# Altium PCB CarrierMotherboard.PcbDoc (part 1 of 6) (continued)
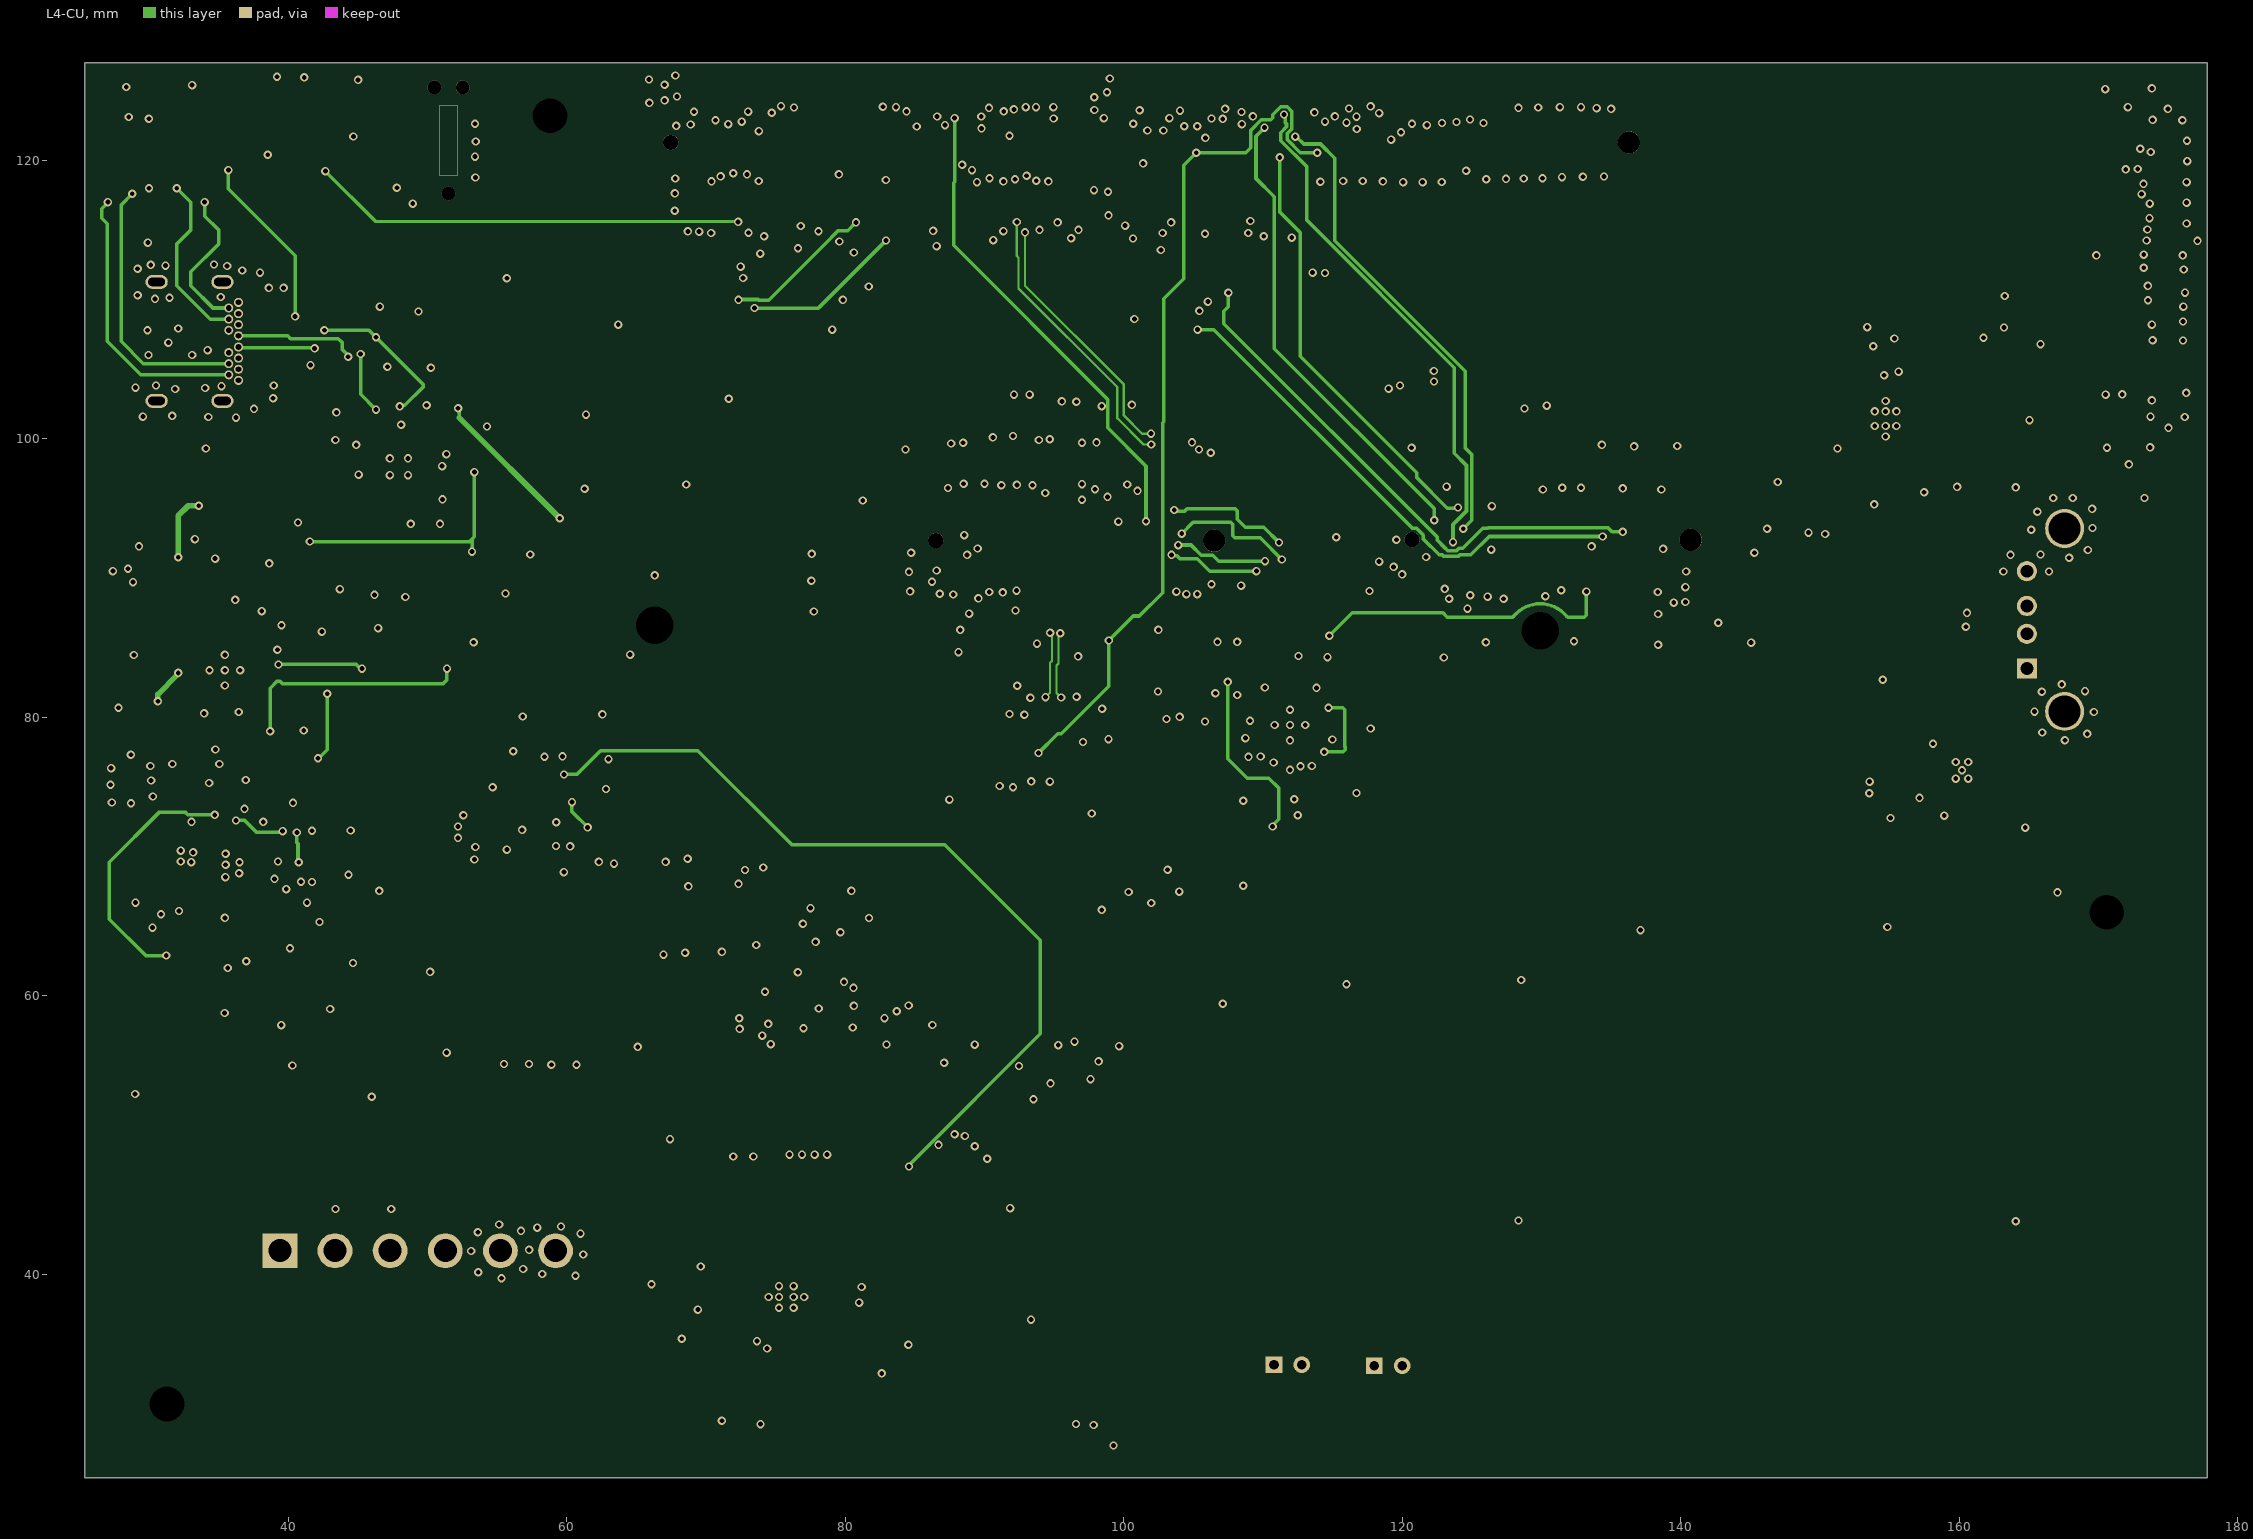
[diagram p4: L4-CU]
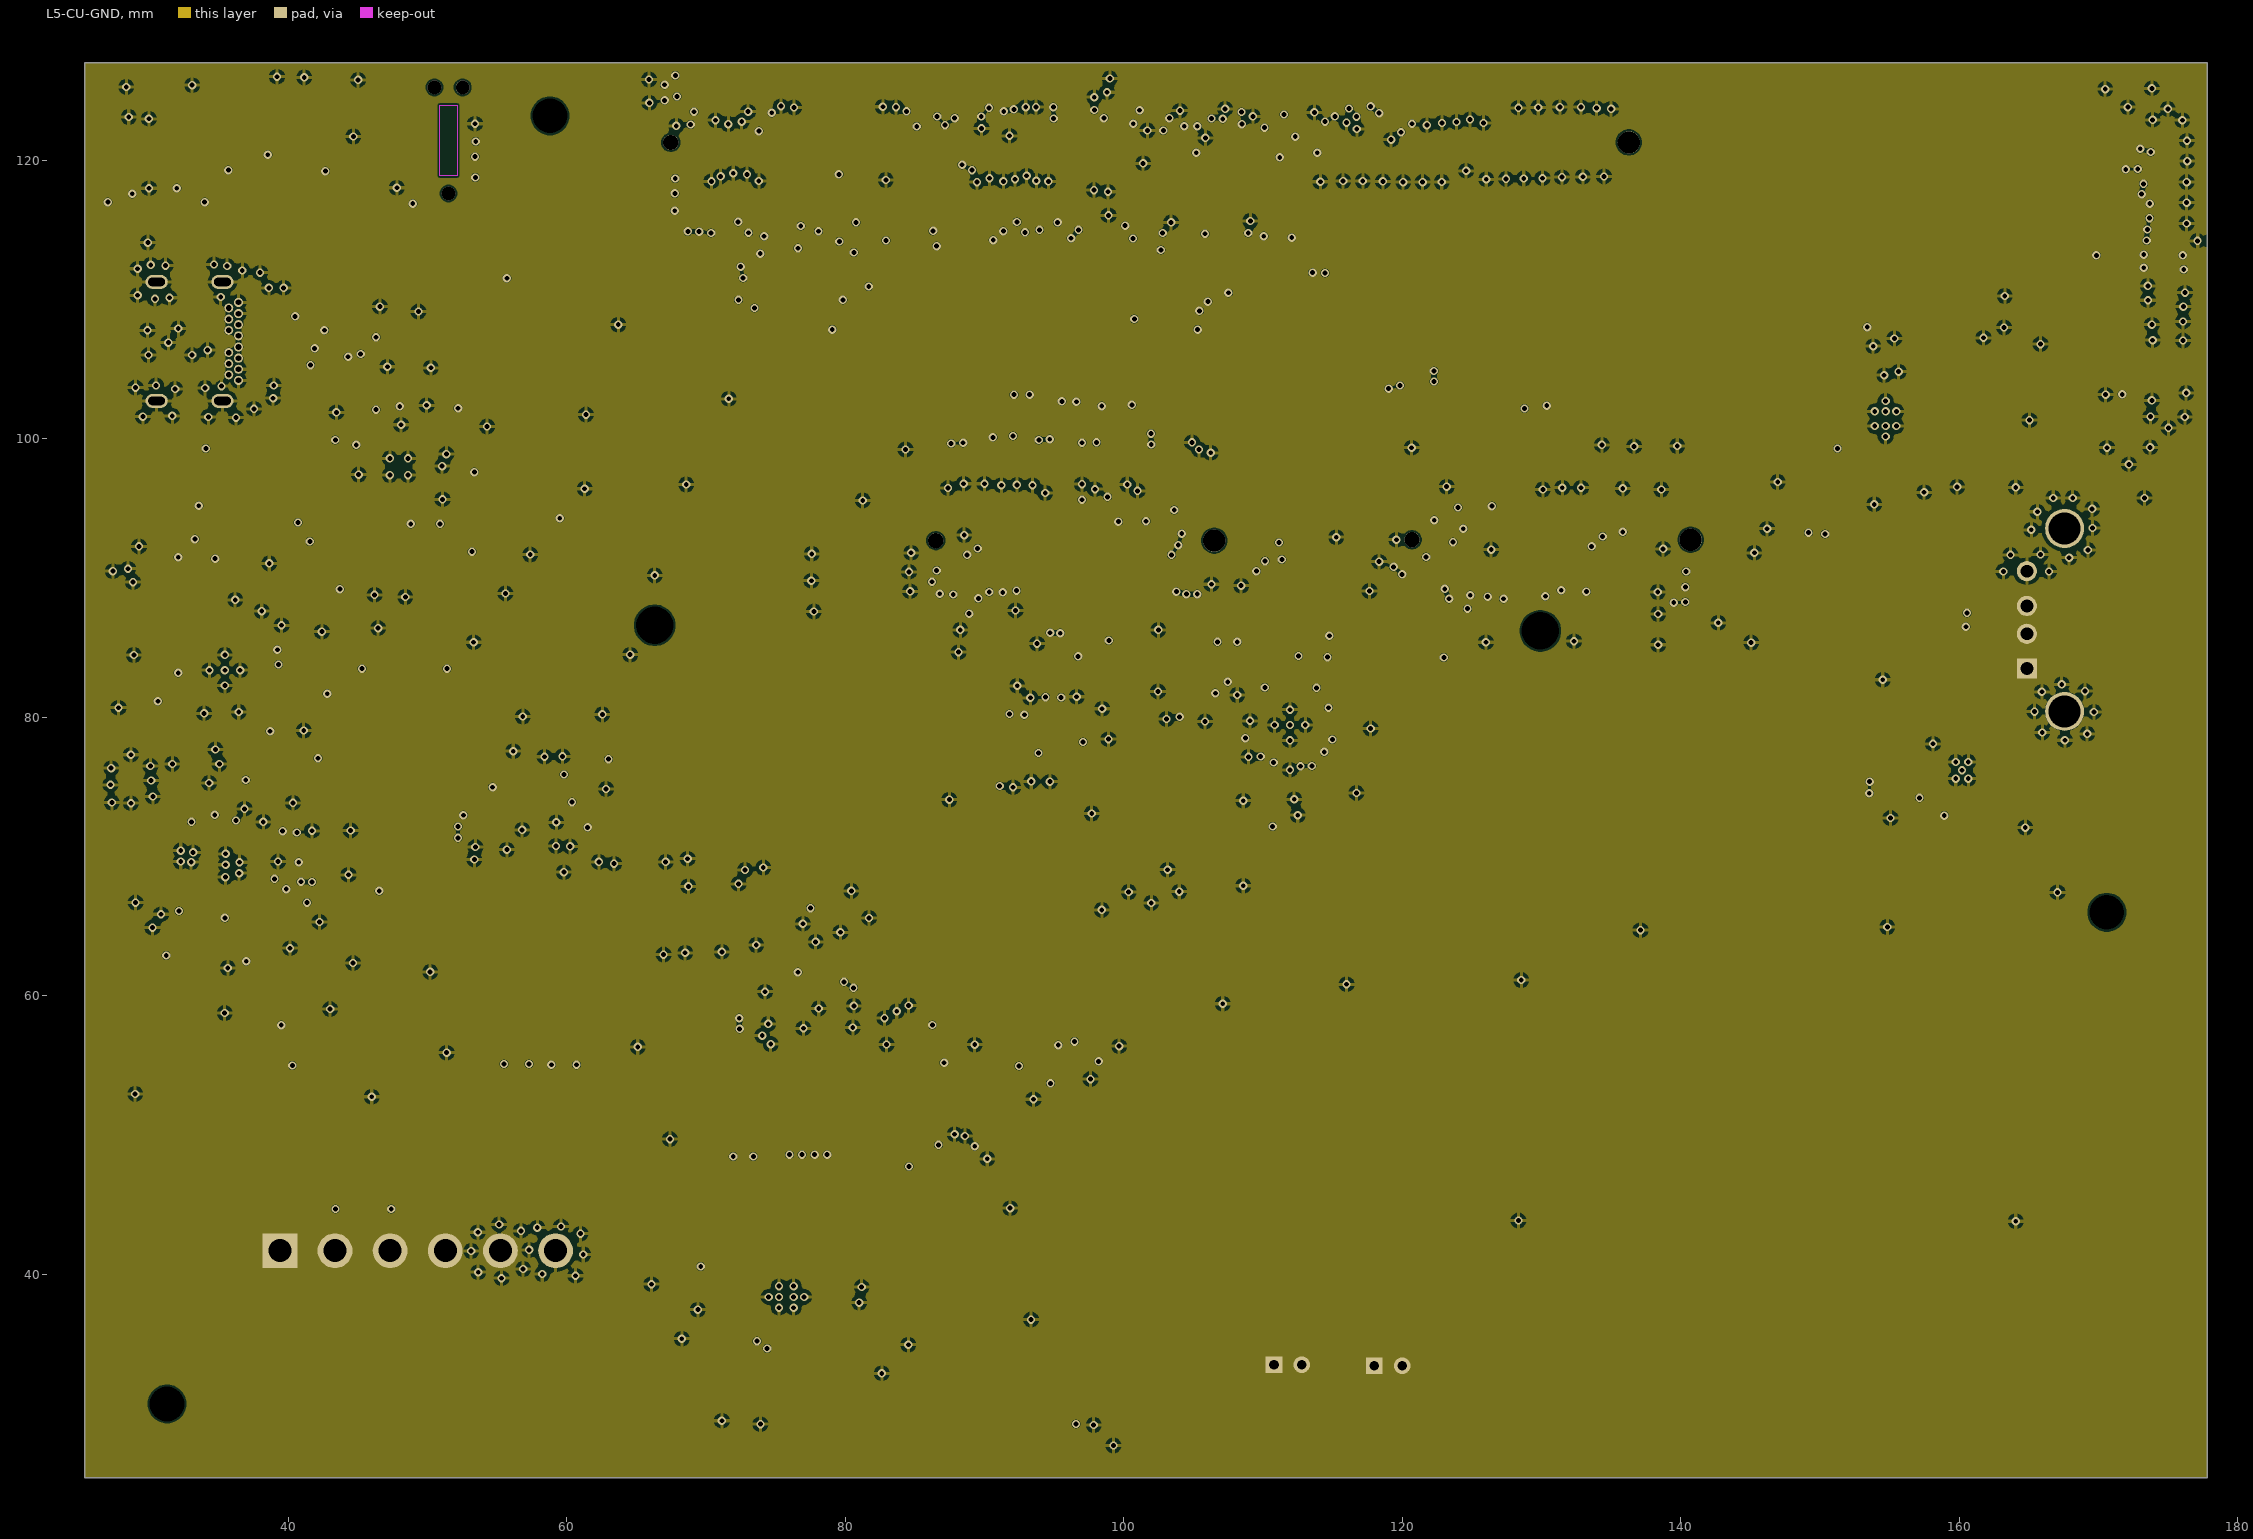
[diagram p5: L5-CU-GND]
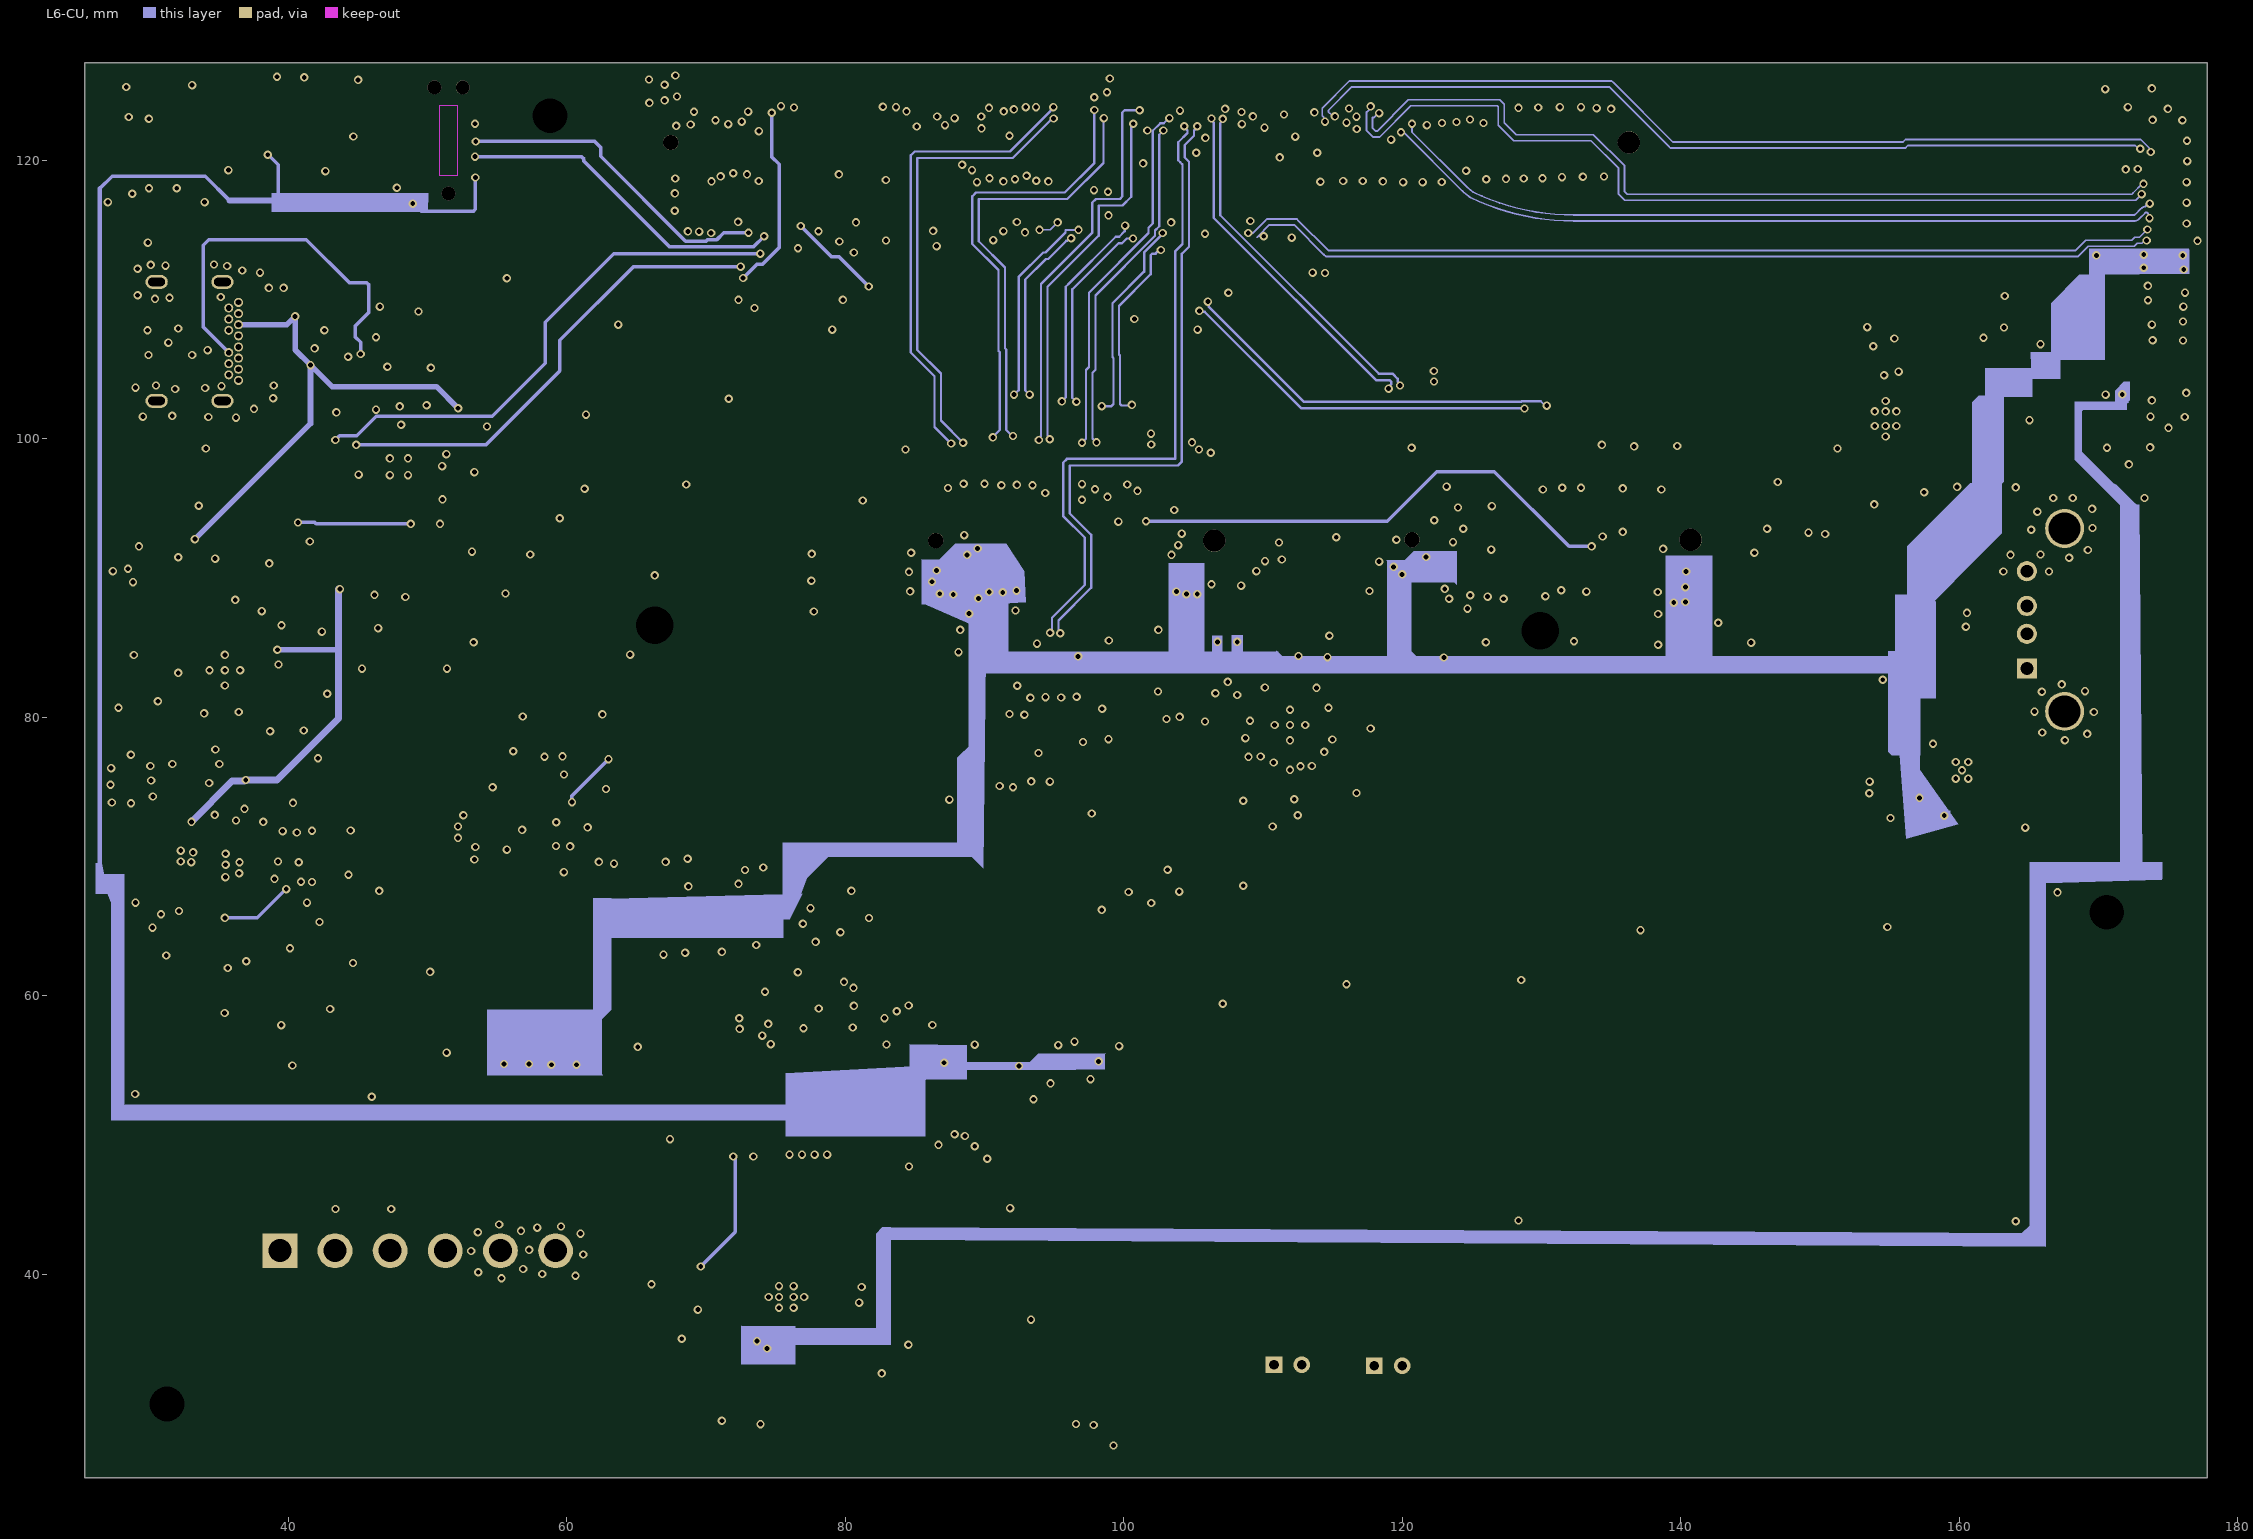
[diagram p6: L6-CU]
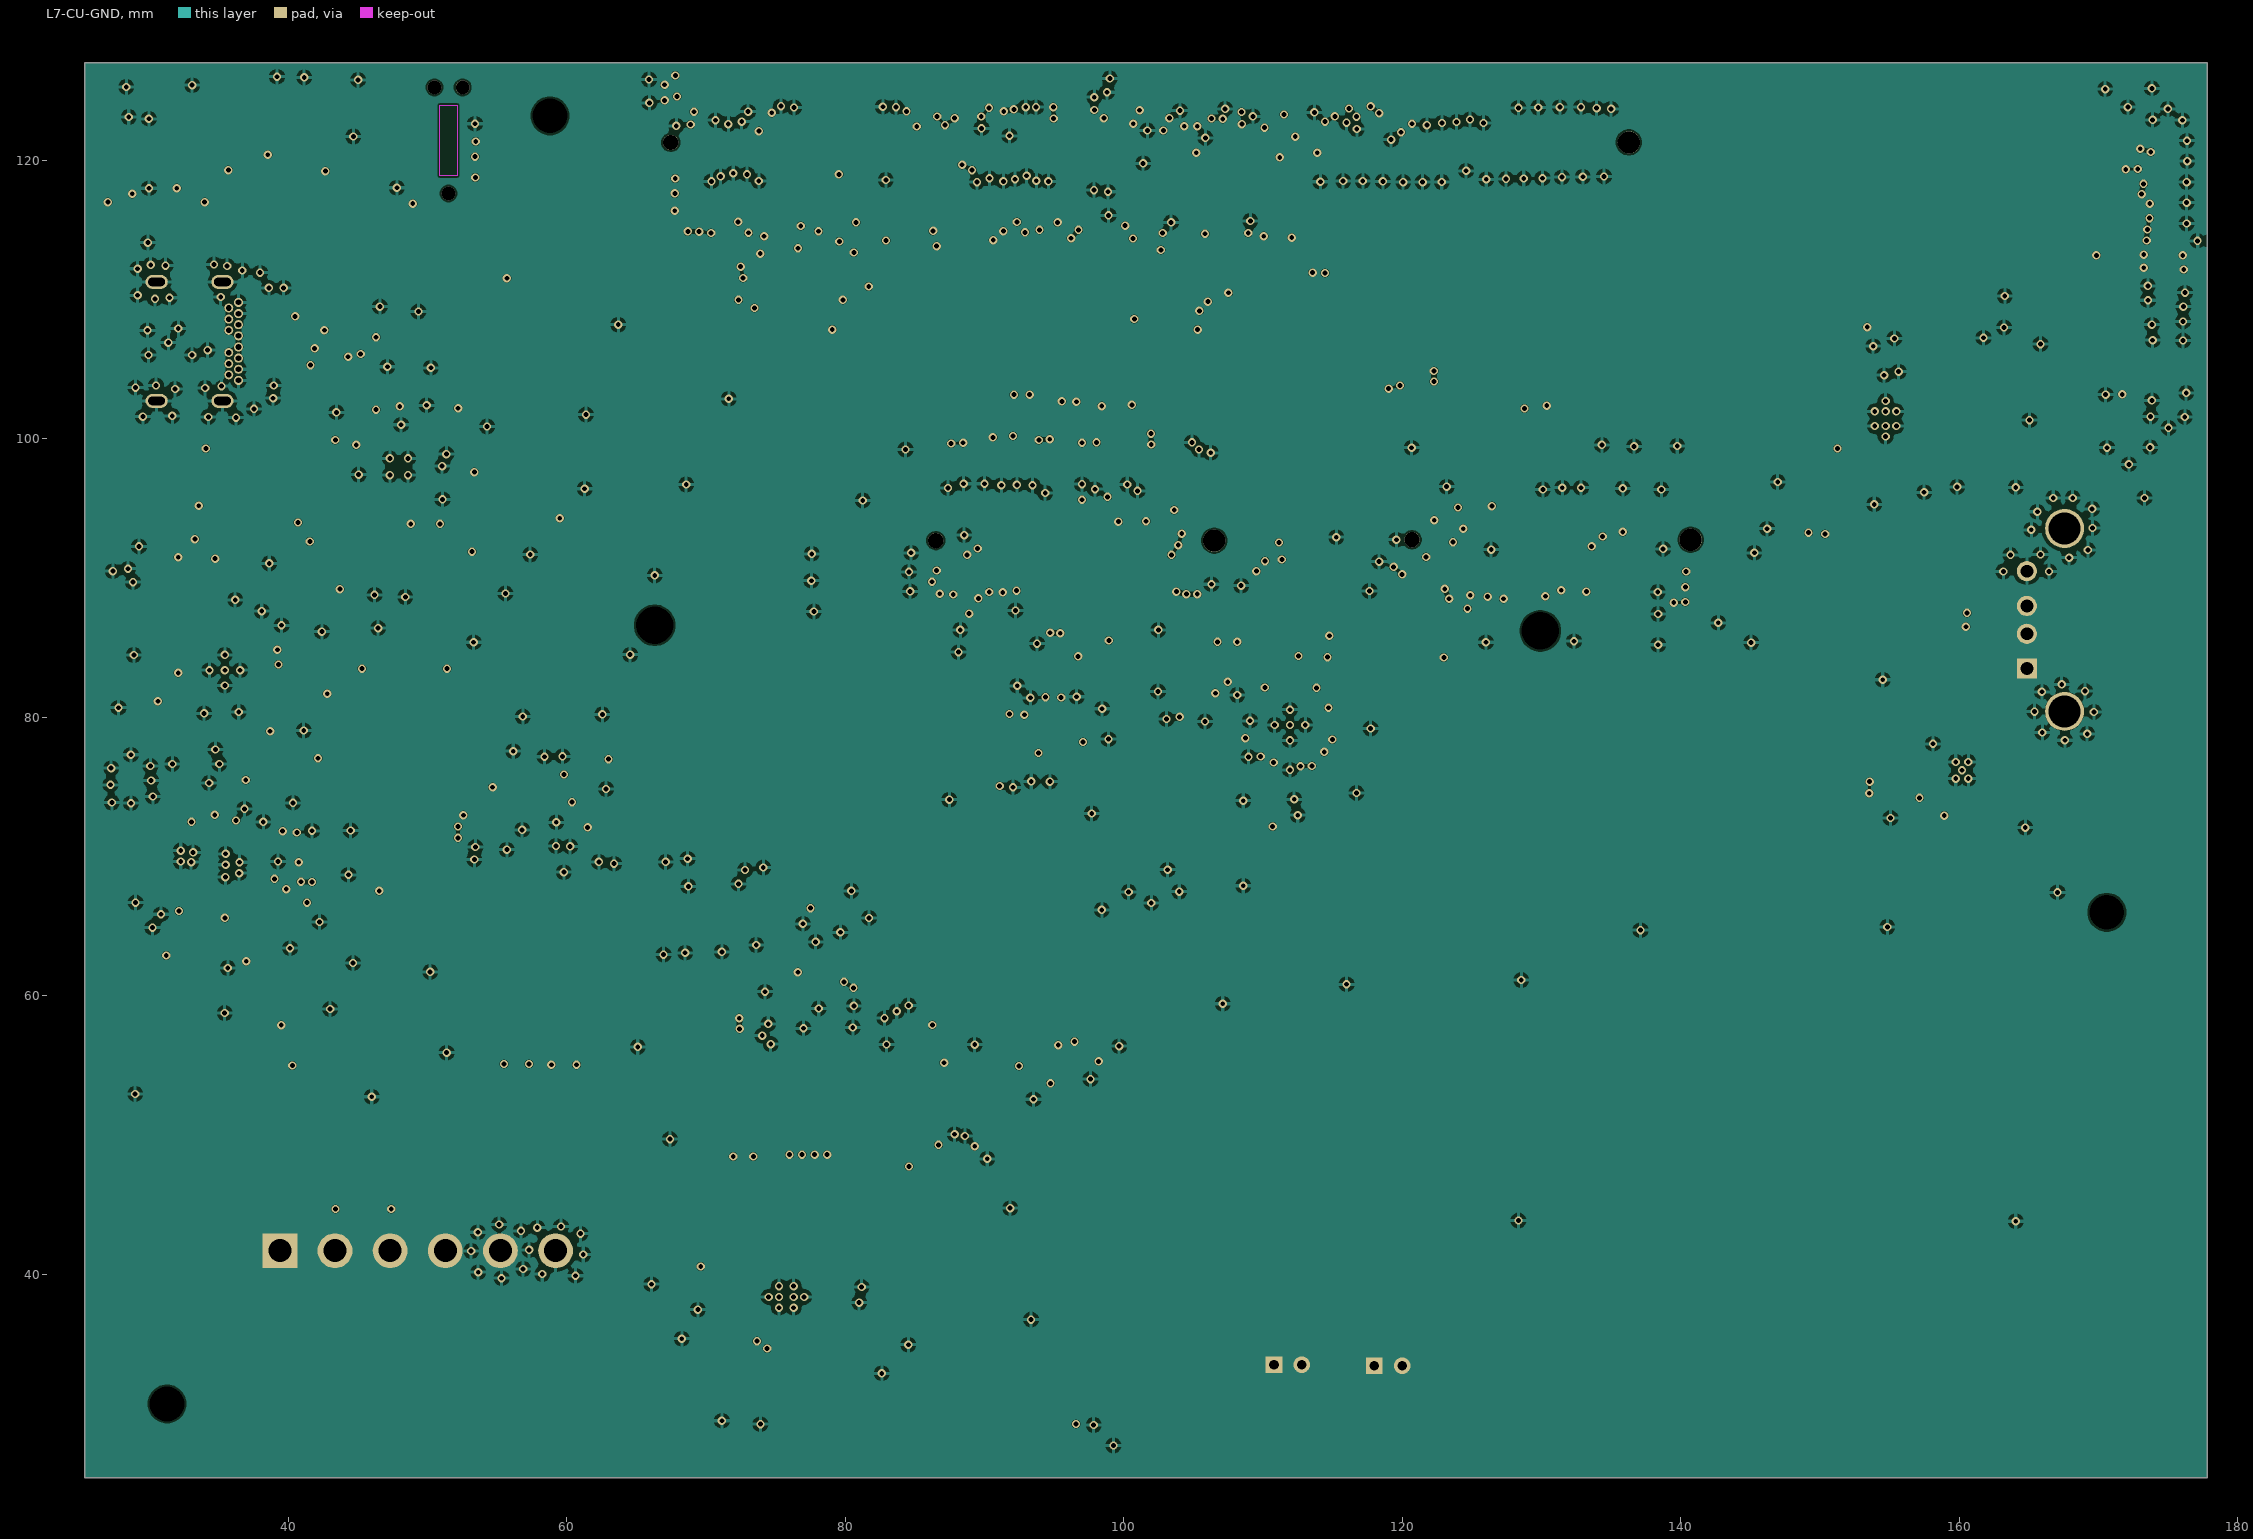
[diagram p7: L7-CU-GND]